# Altium PCB main-board.PcbDoc (part 2 of 2)
Units mm, origin at the board's own origin, x right, y up, seen from the top; angles counter-clockwise.
Board outline 82.8 x 75 mm, 4 copper layers (Top Layer, Int1 (GND), Int2 (PWR), Bottom Layer), stack 1.369 mm thick; 131 components, 82 nets, 436 pads, 508 vias.
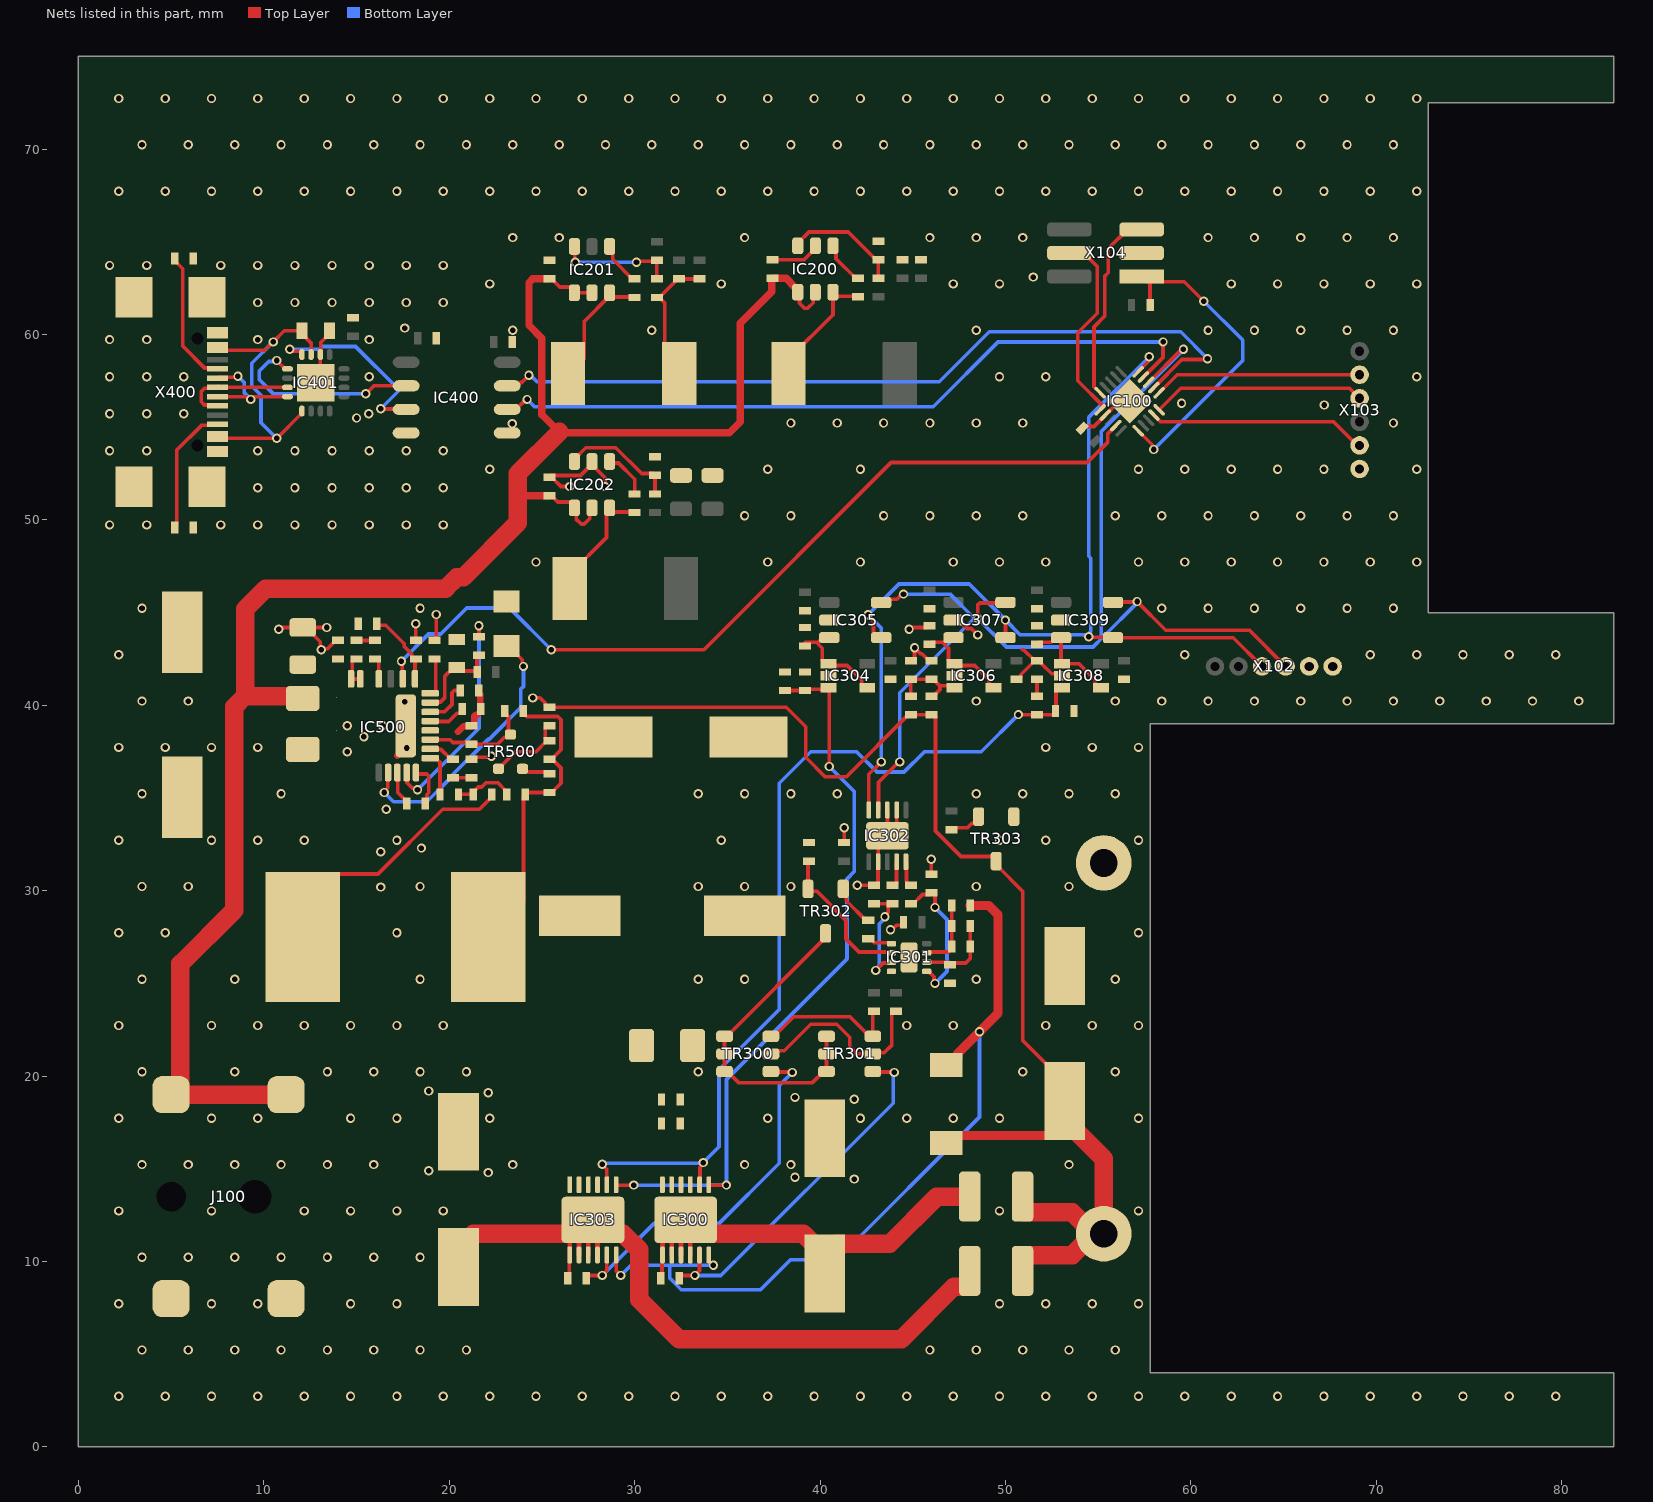
[diagram p4: the nets of this part, all layers, seen from the top]

## Via types
v1: diameter 0.5, hole 0.3, Top Layer to Bottom Layer, tented both sides, 504 vias
v2: diameter 0.5, hole 0.3, Top Layer to Bottom Layer, 4 vias

## Nets (pads, with @x,y where several pads share a name; then routed paths per layer and width w, separated by ;. In a path a pad name is that pad's centre, name@x,y a point inside that pad or via, vN(x,y) a via of type N, cw(c..) or ccw(c..) an arc to the next point about the centre after c; other vN are vias at no path point) (continued)
GND: C100.1 C201.2 C202.1 C203.1 C205.2 C206.2 C207.2 C209.2 C210.1 C211.1 C300.1 C301.1 C302.2 C303.2 C304.2 C305.2 C306.2 C308.1 C309.1 C310.1 C311.1 C312.1 C313.1 C314.1 C315.1 C316.1 C317.1 C318.1 C319.1 C401.2 C503.1 C504.2 C505.1 C506.1 C507.1 C508.2 C509.2 C510.1 C511.1 C512.1 C513.1 C514.1 C515.1 C516.1 IC100.17 IC100.21 IC200.2 IC202.2 IC301.4 IC301.9 IC302.2 IC302.7 IC302.8 IC302.11 IC304.2 IC305.2 IC306.2 IC307.2 IC308.2 IC309.2 IC400.5 IC500.9 IC500.17 IC500.23 IC500.28 J100.2 J100.3 L201.2 R201.1 R202.2 R205.1 R305.1 R311.1 R314.1 R317.1 R319.2 R508.1 R509.1 R511.1 R512.1 TR303.1 X101.1 X102.5 X102.6 X103.6 X104.3 | length 52.1
  Top Layer w0.2: v1(10.8,44.1) 10.881,44.1 10.981,44.2 C505.1@12.271,44.2 ; v1(13.4,44.2) C505.1@12.271,44.2 ; C506.1@14,43.5 13.875,43.5 13.432,43.057 13.157,43.057 v1(13.1,43) 13.043,43.057 13.043,43.428 C505.1@12.271,44.2 ; IC500.17@17.202,36.375 17.227,36.35 17.227,35.298 17.7,34.825 C512.1@17.7,34.7 ; C507.1@18.2,43.5 v1(18.2,44.4) ; R511.1@19.2,43.5 19.3,43.6 v1(19.3,44.9) ; C513.1@21.2,37.1 21.3,37.2 22.135,37.2 22.195,37.261 v1(22.277,37.261) ; v2(26.5,51.8) 26.025,51.8 25.525,52.3 C209.2@25.4,52.3 25.5,52.4 27.086,52.4 27.7,53.014 IC202.2@27.7,53.15 27.7,52.973 28.4,52.273 v2(28.4,51.8) ; R202.2@31.2,62 R202.2@31.325,62 ; L201.2@32.4,57.9 31.629,58.671 31.629,61.696 R202.2@31.325,62 ; C207.2@33.5,63 C206.2@32.4,63 32.275,63 32.175,62.9 32.175,62.85 R202.2@31.325,62 ; C201.2@37.446,64.033 39.132,64.033 39.746,64.647 IC200.2@39.746,64.783 ; C301.1@41.3,32.6 v1(41.3,33.4) ; v1(42,30.3) C304.2@42.9,30.3 43.025,30.3 43.125,30.4 43.125,31.559 IC302.2@43.133,31.567 43.133,32.462 IC302.11@43.633,32.962 ; IC302.8@43.633,34.357 IC302.11@43.633,32.962 ; v1(43.8,27.9) 43.881,27.9 44.117,28.136 44.4,28.136 44.5,28.236 C300.1@44.5,28.3 ; IC302.7@44.133,34.357 44.133,33.462 IC302.11@43.633,32.962 ; v1(44.8,44.1) 44.881,44.1 44.981,44.2 45.8,44.2 C315.1@45.9,44.3 ; C314.1@44.9,42.4 45,42.4 45.1,42.5 v1(45.1,43.1) 45.102,43.1 45.419,42.783 45.492,42.783 45.875,42.4 R317.1@46,42.4 ; C305.2@46,30.9 v1(46,31.7) ; IC307.2@47.2,44.6 47.477,44.6 47.929,44.148 48.152,44.148 v1(48.5,43.8) ; C312.1@50.6,41.4 50.725,41.4 50.825,41.5 50.825,41.65 R319.2@51.575,42.4 ; 50.9,43 50.975,43 R319.2@51.575,42.4 ; IC308.2@53.05,41.6 52.95,41.7 52.501,41.7 51.925,42.276 51.925,42.3 51.825,42.4 R319.2@51.7,42.4 R319.2@51.575,42.4 ; C100.1@54.146,54.954 54.235,55.042 54.776,55.042 IC100.17@55.392,55.658 56.134,56.4 IC100.21@56.7,56.4
  Top Layer w0.35: IC500.28@17.202,37.274 17.628,37.7 v1(17.7,37.7) ; IC500.28@17.659,38.895 IC500.28@17.904,38.65 ; 20.466,38.566 20.775,38.875 21.175,38.875 21.225,38.925 21.35,38.925 21.35,39.425 21.4,39.475 21.5,39.475 21.7,39.675 R512.1@21.7,39.8 21.675,39.825 21.675,40.6 21.6,40.675 R509.1@21.6,40.8
  other v1: 2.178,2.73 4.678,2.73 7.178,2.73 9.678,2.73 12.178,2.73 14.678,2.73 17.178,2.73 19.678,2.73 22.178,2.73 24.678,2.73 27.178,2.73 29.678,2.73 32.178,2.73 34.678,2.73 37.178,2.73 39.678,2.73 42.178,2.73 44.678,2.73 47.178,2.73 49.678,2.73 52.178,2.73 54.678,2.73 57.178,2.73 59.678,2.73 62.178,2.73 64.678,2.73 67.178,2.73 69.678,2.73 72.178,2.73 74.678,2.73 77.178,2.73 79.678,2.73 3.428,5.23 5.928,5.23 8.428,5.23 10.928,5.23 13.428,5.23 15.928,5.23 18.428,5.23 20.928,5.23 45.928,5.23 48.428,5.23 50.928,5.23 53.428,5.23 55.928,5.23 2.178,7.73 7.178,7.73 9.678,7.73 14.678,7.73 17.178,7.73 49.678,7.73 52.178,7.73 54.678,7.73 57.178,7.73 3.428,10.23 5.928,10.23 8.428,10.23 10.928,10.23 13.428,10.23 15.928,10.23 18.428,10.23 2.178,12.73 7.178,12.73 12.178,12.73 14.678,12.73 17.178,12.73 19.678,12.73 49.678,12.73 57.178,12.73 41.85,14.45 38.65,14.55 22.1,14.8 18.9,14.9 3.428,15.23 5.928,15.23 8.428,15.23 10.928,15.23 13.428,15.23 15.928,15.23 23.428,15.23 35.928,15.23 38.428,15.23 53.428,15.23 2.178,17.73 7.178,17.73 9.678,17.73 14.678,17.73 17.178,17.73 22.178,17.73 37.178,17.73 42.178,17.73 44.678,17.73 47.178,17.73 49.678,17.73 57.178,17.73 41.85,18.75 38.65,18.85 22.1,19.1 18.9,19.2 3.428,20.23 8.428,20.23 13.428,20.23 15.928,20.23 18.428,20.23 20.928,20.23 33.428,20.23 50.928,20.23 55.928,20.23 2.178,22.73 7.178,22.73 9.678,22.73 12.178,22.73 14.678,22.73 17.178,22.73 19.678,22.73 44.678,22.73 47.178,22.73 52.178,22.73 54.678,22.73 57.178,22.73 3.428,25.23 8.428,25.23 18.428,25.23 33.428,25.23 35.928,25.23 48.428,25.23 55.928,25.23 2.178,27.73 4.678,27.73 17.178,27.73 57.178,27.73 16.3,30.2 3.428,30.23 5.928,30.23 18.428,30.23 33.428,30.23 35.928,30.23 38.428,30.23 48.428,30.23 53.428,30.23 16.3,32.1 18.5,32.3 2.178,32.73 7.178,32.73 9.678,32.73 12.178,32.73 17.178,32.73 34.678,32.73 49.678,32.73 52.178,32.73 57.178,32.73 16.6,34.4 3.428,35.23 10.928,35.23 33.428,35.23 35.928,35.23 38.428,35.23 40.928,35.23 48.428,35.23 50.928,35.23 53.428,35.23 55.928,35.23 14.5,37.5 2.178,37.73 4.678,37.73 7.178,37.73 9.678,37.73 52.178,37.73 54.678,37.73 57.178,37.73 15.4,38.3 14.5,38.9 16.4,38.9 17.6,40.2 3.428,40.23 5.928,40.23 48.428,40.23 55.928,40.23 58.428,40.23 60.928,40.23 63.428,40.23 65.928,40.23 68.428,40.23 70.928,40.23 73.428,40.23 75.928,40.23 78.428,40.23 80.928,40.23 2.178,42.73 59.678,42.73 69.678,42.73 72.178,42.73 74.678,42.73 77.178,42.73 79.678,42.73 3.428,45.23 18.428,45.23 58.428,45.23 60.928,45.23 63.428,45.23 65.928,45.23 68.428,45.23 70.928,45.23 24.678,47.73 37.178,47.73 42.178,47.73 47.178,47.73 49.678,47.73 52.178,47.73 57.178,47.73 59.678,47.73 62.178,47.73 64.678,47.73 67.178,47.73 69.678,47.73 72.178,47.73 35.928,50.23 38.428,50.23 43.428,50.23 45.928,50.23 48.428,50.23 50.928,50.23 55.928,50.23 58.428,50.23 60.928,50.23 63.428,50.23 65.928,50.23 68.428,50.23 70.928,50.23 22.178,52.73 37.178,52.73 42.178,52.73 57.178,52.73 59.678,52.73 62.178,52.73 64.678,52.73 67.178,52.73 72.178,52.73 23.4,55.2 38.428,55.23 40.928,55.23 43.428,55.23 45.928,55.23 48.428,55.23 50.928,55.23 70.928,55.23 67.2,56.2 59.5,56.3 49.678,57.73 52.178,57.73 72.178,57.73 23.428,60.23 30.928,60.23 48.428,60.23 60.928,60.23 63.428,60.23 65.928,60.23 68.428,60.23 70.928,60.23 22.178,62.73 34.678,62.73 47.178,62.73 49.678,62.73 62.178,62.73 64.678,62.73 67.178,62.73 69.678,62.73 72.178,62.73 51.5,63.1 23.428,65.23 25.928,65.23 35.928,65.23 45.928,65.23 48.428,65.23 50.928,65.23 60.928,65.23 63.428,65.23 65.928,65.23 68.428,65.23 70.928,65.23 2.178,67.73 4.678,67.73 7.178,67.73 9.678,67.73 12.178,67.73 14.678,67.73 17.178,67.73 19.678,67.73 22.178,67.73 24.678,67.73 27.178,67.73 29.678,67.73 32.178,67.73 34.678,67.73 37.178,67.73 39.678,67.73 42.178,67.73 44.678,67.73 47.178,67.73 49.678,67.73 52.178,67.73 54.678,67.73 57.178,67.73 59.678,67.73 62.178,67.73 64.678,67.73 67.178,67.73 69.678,67.73 72.178,67.73 3.428,70.23 5.928,70.23 8.428,70.23 10.928,70.23 13.428,70.23 15.928,70.23 18.428,70.23 20.928,70.23 23.428,70.23 25.928,70.23 28.428,70.23 30.928,70.23 33.428,70.23 35.928,70.23 38.428,70.23 40.928,70.23 43.428,70.23 45.928,70.23 48.428,70.23 50.928,70.23 53.428,70.23 55.928,70.23 58.428,70.23 60.928,70.23 63.428,70.23 65.928,70.23 68.428,70.23 70.928,70.23 2.178,72.73 4.678,72.73 7.178,72.73 9.678,72.73 12.178,72.73 14.678,72.73 17.178,72.73 19.678,72.73 22.178,72.73 24.678,72.73 27.178,72.73 29.678,72.73 32.178,72.73 34.678,72.73 37.178,72.73 39.678,72.73 42.178,72.73 44.678,72.73 47.178,72.73 49.678,72.73 52.178,72.73 54.678,72.73 57.178,72.73 59.678,72.73 62.178,72.73 64.678,72.73 67.178,72.73 69.678,72.73 72.178,72.73
GND_USB: C400.2 C402.1 C403.2 IC400.4 IC401.2 IC401.17 R400.1 R401.1 X400.A1 X400.A12 X400.B1 X400.B12 X400.SHELL | length 3.1
  Top Layer w0.2: IC401.17@12.8,57.4 13.05,57.65 IC401.2@13.05,58.925 13.069,58.944 13.069,59.569 13.55,60.05 C402.1@13.55,60.2
  other v1: 1.678,49.73 3.678,49.73 7.678,49.73 9.678,49.73 11.678,49.73 13.678,49.73 15.678,49.73 17.678,49.73 19.678,49.73 9.678,51.73 11.678,51.73 13.678,51.73 15.678,51.73 17.678,51.73 19.678,51.73 1.678,53.73 3.678,53.73 9.678,53.73 11.678,53.73 13.678,53.73 15.678,53.73 17.678,53.73 19.678,53.73 15,55.5 1.678,55.73 3.678,55.73 5.678,55.73 15.658,55.721 1.678,57.73 3.678,57.73 5.678,57.73 15.678,57.73 1.678,59.73 3.678,59.73 9.678,59.73 15.678,59.73 17.6,60.35 9.678,61.73 11.678,61.73 13.678,61.73 15.678,61.73 17.678,61.73 19.678,61.73 1.678,63.73 3.678,63.73 7.678,63.73 9.678,63.73 11.678,63.73 13.678,63.73 15.678,63.73 17.678,63.73 19.678,63.73
ICSPCLK: IC100.15 X104.5 | length 10.5
  Top Layer w0.2: IC100.15@55.109,56.86 54.78,57.189 54.78,60.414 55.35,60.984 55.35,63.137 55.543,63.33 55.543,64.634 56.579,65.67 X104.5@57.35,65.67
ICSPDAT: IC100.16 X104.4 | length 10.6
  Top Layer w0.2: X104.4@53.45,64.4 54.221,64.4 54.95,63.671 54.95,61.15 53.9,60.1 53.9,57.503 55.286,56.117 IC100.16@55.109,55.94
M\C\L\R\: IC100.1 R100.1 X104.1 | length 17.9
  Top Layer w0.2: IC100.1@57.16,54.809 57.943,54.026 57.943,53.857 v1(58,53.8) ; R100.1@57.8,61.6 57.8,62.85 57.52,63.13 X104.1@57.35,63.13 57.63,62.85 59.65,62.85 v1(60.7,61.8)
  Bottom Layer w0.2: v1(58,53.8) 62.8,58.6 62.8,59.7 v1(60.7,61.8)
NetC200_1: C200.1 IC200.6 L200.1 | length 6.9
  Top Layer w0.2: L200.1@38.3,57.9 38.3,58.675 40.696,61.071 IC200.6@40.696,62.283 ; IC200.6@40.696,62.333 40.696,62.254 40.892,62.058 42.021,62.058 C200.1@42.046,62.033
NetC200_2: C200.2 IC200.1 | length 2.4
  Top Layer w0.2: IC200.1@40.696,64.783 40.865,64.614 40.865,64.089 41.921,63.033 C200.2@42.046,63.033
NetC204_1: C204.1 IC201.6 L201.1 | length 6.8
  Top Layer w0.2: L201.1@26.4,57.9 26.433,57.867 26.454,57.867 27.279,58.692 27.279,60.702 28.65,62.073 IC201.6@28.65,62.25 28.65,62.221 28.846,62.025 29.975,62.025 C204.1@30,62
NetC204_2: C204.2 IC201.1 | length 2.4
  Top Layer w0.2: IC201.1@28.65,64.75 28.819,64.581 28.819,64.056 29.875,63 C204.2@30,63
NetC208_1: C208.1 IC202.6 L202.1 | length 6.7
  Top Layer w0.2: L202.1@26.5,46.3 26.5,47.075 28.481,49.056 28.481,50.481 IC202.6@28.65,50.65 28.65,50.621 28.846,50.425 29.975,50.425 C208.1@30,50.4
NetC208_2: C208.2 IC202.1 | length 2.5
  Top Layer w0.2: IC202.1@28.65,53.15 28.733,53.067 29.133,53.067 30,52.2 C208.2@30,51.4
NetC302_1: C302.1 IC300.1 IC300.2 IC300.3 IC300.4 IC300.13 R302.1 R306.2 | length 27.2
  Top Layer w0.2: R306.2@31.4,9.1 31.475,9.175 31.475,10.33 IC300.1@31.5,10.355
  Top Layer w0.25: IC300.1@31.5,10.355 31.5,11.136 IC300.13@31.932,11.568 ; IC300.2@32,10.355 IC300.13@32,11.5 ; IC300.3@32.5,10.355 32.5,12 IC300.13@32.75,12.25 33,12 33,11.505 IC300.4@33,10.355
  Top Layer w1: IC300.13@32.75,12.25 33.495,11.505 39.095,11.505 C302.1@40.25,10.35 ; R302.1@48.075,13.5 46.3,13.5 43.75,10.95 40.85,10.95 C302.1@40.25,10.35 ; C302.1@40.25,10.35 C302.1@40.25,9.35 C302.1@40.25,10.35
NetC304_1: C304.1 IC301.3 R303.2 | length 6
  Top Layer w0.2: C304.1@42.9,29.3 R303.2@43.9,29.3 ; v1(43,25.7) 43.4,26.1 43.8,26.1 IC301.3@43.85,26.15 ; v1(43.5,28.6) 43.5,28.681 43.675,28.856 43.675,29.2 R303.2@43.775,29.3
  Bottom Layer w0.2: v1(43,25.7) 43,25.781 43.2,25.981 43.2,28.219 43.5,28.519 v1(43.5,28.6)
NetC305_1: C305.1 IC301.5 R308.2 | length 7.8
  Top Layer w0.2: R308.2@44.9,29.3 45.025,29.3 45.525,29.8 45.9,29.8 C305.1@46,29.9 46.1,29.9 46.2,29.8 v1(46.2,29.1) ; IC301.5@45.75,25.65 45.85,25.65 46.143,25.357 46.143,25.057 v1(46.2,25)
  Bottom Layer w0.2: v1(46.2,25) 46.85,25.65 46.85,28.45 v1(46.2,29.1)
NetC306_1: C306.1 IC303.1 IC303.2 IC303.3 IC303.4 IC303.13 R310.1 R313.2 | length 42.1
  Top Layer w0.2: R313.2@26.4,9.1 26.475,9.175 26.475,10.33 IC303.1@26.5,10.355
  Top Layer w0.25: IC303.1@26.5,10.355 26.5,11.136 IC303.13@26.932,11.568 ; IC303.2@27,10.355 IC303.13@27,11.5 ; IC303.3@27.5,10.355 IC303.13@27.5,12 ; IC303.4@28,10.355 IC303.13@28,11.505
  Top Layer w1: C306.1@20.5,9.7 20.5,10.7 21.305,11.505 27.005,11.505 IC303.13@27.75,12.25 28.495,11.505 29.378,11.505 30.25,10.633 30.25,7.95 32.4,5.8 44.375,5.8 47.225,8.65 48,8.65 48.075,8.725 R310.1@48.075,9.5
NetC307_1: C307.1 IC301.7 R309.1 R312.2 | length 3.8
  Top Layer w0.2: IC301.7@45.75,26.65 45.8,26.7 46.925,26.7 47.1,26.875 C307.1@47.1,27 R312.2@47.1,28.1 47.1,29 R309.1@47.1,29.2
NetC307_2: C307.2 IC301.6 R311.2 R312.1 | length 4.4
  Top Layer w0.2: IC301.6@45.75,26.15 47,26.15 R311.2@47,26 47.1,26.1 47.854,26.1 48.1,26.346 C307.2@48.1,27 R312.1@48.1,28.1
NetC310_2: C310.2 IC300.7 IC303.7 IC304.3 R314.2 | length 40
  Top Layer w0.2: IC303.7@29,14.145 29.022,14.123 v1(29.95,14.123) ; IC300.7@34,14.145 34.022,14.123 v1(34.95,14.123) ; C310.2@38.1,40.8 R314.2@39.2,40.8 39.275,40.875 40.216,40.875 40.375,40.875 IC304.3@40.45,40.95 40.366,40.95 40.216,40.8 40.5,40.8 v1(40.5,36.7)
  Bottom Layer w0.2: v1(29.95,14.123) v1(34.95,14.123) 34.95,19.825 41.45,26.325 41.45,30.638 41.85,31.038 41.85,35.35 v1(40.5,36.7)
NetC311_2: C311.2 IC304.1 IC304.4 IC305.3 | length 5.7
  Top Layer w0.2: C311.2@39.1,43.3 39.2,43.4 39.873,43.4 ; IC305.3@40.4,43.65 40.123,43.65 39.873,43.4 ; IC304.4@42.55,40.95 42.4,40.95 42.25,41.1 42.25,41.35 41.45,42.15 40.55,42.15 IC304.1@40.45,42.25 40.275,42.25 40.125,42.4 40.125,43.075 39.9,43.3 39.9,43.373 39.873,43.4
NetC314_2: C314.2 IC306.3 R315.1 R316.1 R317.2 | length 4.3
  Top Layer w0.2: R315.1@44.9,40.5 C314.2@44.9,41.4 R317.2@46,41.4 46.125,41.4 46.475,41.05 ; R316.1@46,40.5 46.125,40.5 46.475,40.85 46.475,41.05 ; IC306.3@47.25,40.95 47.15,41.05 46.475,41.05
NetC315_2: C315.2 IC306.1 IC306.4 IC307.3 | length 5.7
  Top Layer w0.2: C315.2@45.9,43.3 46,43.4 46.673,43.4 ; IC307.3@47.2,43.65 46.923,43.65 46.673,43.4 ; IC306.4@49.35,40.95 49.267,40.95 49.117,41.1 49.117,41.383 48.35,42.15 47.35,42.15 IC306.1@47.25,42.25 47.075,42.25 46.925,42.4 46.925,43.075 46.7,43.3 46.7,43.373 46.673,43.4
NetC318_2: C318.2 IC308.1 IC308.4 IC309.3 | length 5.7
  Top Layer w0.2: C318.2@51.7,43.3 51.8,43.4 52.473,43.4 52.723,43.65 IC309.3@53,43.65 53,42.3 IC308.1@53.05,42.25 53.95,42.25 54.85,41.35 54.85,41.1 55,40.95 IC308.4@55.15,40.95
NetC319_2: C319.2 IC300.8 IC303.8 IC308.3 R318.2 | length 49.1
  Top Layer w0.2: v1(28.25,15.25) 28.25,15.233 28.5,14.983 IC303.8@28.5,14.145 ; IC300.8@33.5,14.145 33.525,14.17 33.525,15.083 33.7,15.258 v1(33.7,15.34) ; v1(50.7,39.5) R318.2@51.7,39.5 52.6,39.5 52.7,39.6 C319.2@52.7,39.7 52.725,39.725 52.725,40.8 52.875,40.95 IC308.3@53.05,40.95
  Bottom Layer w0.2: v1(28.25,15.25) 28.295,15.295 33.655,15.295 v1(33.7,15.34) 34.55,16.19 34.55,20.35 37.8,23.6 37.8,35.8 39.5,37.5 41.972,37.5 43.072,36.4 44.528,36.4 45.628,37.5 48.7,37.5 v1(50.7,39.5)
NetC500_1: C500.1 C502.2 R501.1 | length 3.3
  Top Layer w0.2: C502.2@20.5,35.2 R501.1@21.3,35.2 21.3,35.325 21.575,35.6 21.751,35.6 21.976,35.825 22.624,35.825 23,35.449 23,35.3 C500.1@23.1,35.2
NetC501_1: C501.1 IC500.4 | length 1.2
  Top Layer w0.2: C501.1@16,42.5 16.102,42.5 16.202,42.4 IC500.4@16.202,41.425
NetC501_2: C501.2 R505.1 | length 1
  Top Layer w0.2: R505.1@15,43.5 C501.2@16,43.5
NetC502_1: C502.1 IC500.20 | length 2.3
  Top Layer w0.2: IC500.20@18.975,37.15 19.275,37.15 19.5,36.925 C502.1@19.5,35.2
NetC507_2: C507.2 IC500.1 R500.2 | length 4.3
  Top Layer w0.2: R500.2@16.1,44.4 16.176,44.324 16.576,44.324 17.575,43.325 17.575,43.176 17.975,42.776 17.975,42.6 18.123,42.452 18.152,42.452 IC500.1@18.152,41.575 ; IC500.1@18.152,41.575 18.227,41.5 IC500.1@18.152,41.425 18.152,41.5 IC500.1@18.152,41.575
NetC511_2: C511.2 IC500.26 R506.2 R507.1 | length 5
  Top Layer w0.2: IC500.26@18.975,40.15 19,40.175 19.523,40.175 19.75,40.402 19.75,41.55 20.25,42.05 C511.2@20.4,42.05 20.5,41.95 20.6,41.85 21.45,41.85 R506.2@21.5,41.8 21.5,42.6 R507.1@21.6,42.7
NetC512_2: C512.2 IC500.19 | length 2.3
  Top Layer w0.2: IC500.19@18.202,36.375 18.277,36.3 18.783,36.3 18.9,36.183 18.9,35.284 18.8,35.184 18.8,34.8 C512.2@18.7,34.7
NetC513_2: C513.2 R510.1 | length 1
  Top Layer w0.2: R510.1@20.2,36.1 C513.2@21.2,36.1
NetC514_2: C514.2 IC500.16 | length 14.7
  Top Layer w0.2: v1(16.5,35.3) 16.5,35.381 16.677,35.558 16.677,36.35 IC500.16@16.702,36.375 ; C514.2@23.1,43.2 23.2,43.2 23.943,42.457 23.943,42.157 v1(24,42.1)
  Bottom Layer w0.2: v1(16.5,35.3) 17,34.8 18.783,34.8 20.227,36.245 20.227,36.305 22.083,38.161 22.144,38.161 23.85,39.867 23.85,40.868 24,41.018 v1(24,42.1)
NetD300_2: D300.2 IC300.6 IC303.6 R309.2 | length 44.3
  Top Layer w0.2: IC303.6@29,10.355 29,9.517 29.25,9.267 v1(29.25,9.25) ; IC300.6@34,10.355 34,10.03 34.23,9.8 v1(34.25,9.8)
  Top Layer w0.5: D300.2@46.8,20.6 47.025,20.6 47.425,21 47.425,21.225 v1(48.6,22.4) 49.6,23.4 49.6,28.7 49.1,29.2 R309.2@48.1,29.2
  Bottom Layer w0.2: v1(29.25,9.25) 29.8,9.8 31.9,9.8 ; v1(34.25,9.8) 31.9,9.8 ; v1(48.6,22.4) 48.6,17.8 40.9,10.1 38.4,10.1 36.783,8.483 32.517,8.483 31.9,9.1 31.9,9.8
NetIC200_3: IC200.3 R200.1 R201.2 | length 6.4
  Top Layer w0.2: IC200.3@38.796,64.783 38.796,64.919 39.41,65.533 41.521,65.533 43.021,64.033 R201.2@43.146,64.033 R200.1@43.146,63.033
NetIC201_3: IC201.3 R202.1 R203.2 | length 6.3
  Top Layer w0.2: IC201.3@26.75,64.75 26.775,64.725 26.775,63.925 v1(26.8,63.9) ; v1(30.1,63.9) 30.15,63.95 31.15,63.95 R203.2@31.2,64 R202.1@31.2,63
  Bottom Layer w0.2: v1(26.8,63.9) v1(30.1,63.9)
NetIC202_3: IC202.3 R204.1 R205.2 | length 6.4
  Top Layer w0.2: IC202.3@26.75,53.15 26.75,53.286 27.364,53.9 28.986,53.9 30.386,52.5 31,52.5 R205.2@31.1,52.4 R204.1@31.1,51.4
NetIC300_5: IC300.5 R306.1 TR301.4 | length 19.5
  Top Layer w0.2: R306.1@32.4,9.1 32.4,9.15 32.5,9.25 v1(33.25,9.25) 33.25,9.267 33.5,9.517 IC300.5@33.5,10.355 ; TR301.4@42.85,20.25 42.875,20.225 43.975,20.225 v1(44,20.2)
  Bottom Layer w0.2: v1(33.25,9.25) 34.65,9.25 43.943,18.543 43.943,20.143 v1(44,20.2)
NetIC301_1: IC301.1 R304.1 | length 1.4
  Top Layer w0.2: R304.1@42.6,27.4 42.725,27.4 42.925,27.2 43.8,27.2 IC301.1@43.85,27.15
NetIC301_2: IC301.2 R305.2 TR302.2 | length 8
  Top Layer w0.2: R305.2@39.4,31.6 39.35,31.55 TR302.2@39.35,30.1 39.483,29.967 39.833,29.967 41.4,28.4 41.4,27.4 42.1,26.7 43.8,26.7 IC301.2@43.85,26.65
NetIC302_4: IC302.4 R303.1 | length 1.4
  Top Layer w0.2: R303.1@43.9,30.3 44.025,30.3 44.125,30.4 44.125,31.559 IC302.4@44.133,31.567
NetIC302_5: IC302.5 R308.1 | length 1.5
  Top Layer w0.2: IC302.5@44.633,31.567 44.658,31.542 44.658,30.542 44.675,30.525 44.675,30.4 44.775,30.3 R308.1@44.9,30.3
NetIC303_5: IC303.5 R313.1 TR300.4 | length 20.6
  Top Layer w0.2: R313.1@27.4,9.1 27.4,9.15 27.5,9.25 v1(28.25,9.25) 28.25,9.267 28.5,9.517 IC303.5@28.5,10.355 ; TR300.4@37.35,20.25 37.375,20.225 38.475,20.225 v1(38.5,20.2)
  Bottom Layer w0.2: v1(28.25,9.25) 31.051,12.051 34.551,12.051 37.8,15.3 37.8,19.5 v1(38.5,20.2)
NetIC400_2: IC400.2 IC401.5 | length 10.8
  Top Layer w0.2: v1(10.7,58.6) 10.7,58.588 11.138,58.15 IC401.5@11.275,58.15 ; v1(15.5,56.8) 15.935,57.235 IC400.2@17.675,57.235
  Bottom Layer w0.2: v1(10.7,58.6) 10.643,58.543 10.265,58.543 9.75,58.028 9.75,57.572 10.522,56.8 v1(15.5,56.8)
NetIC400_3: IC400.3 IC401.4 | length 10.5
  Top Layer w0.2: v1(11.4,59.2) 11.481,59.2 11.587,59.094 12.004,59.094 12.05,59.048 IC401.4@12.05,58.925 ; v1(16.3,56) 16.318,55.982 17.658,55.982 IC400.3@17.675,55.965
  Bottom Layer w0.2: v1(11.4,59.2) 13,59.2 13.15,59.35 14.95,59.35 17.217,57.083 17.217,56.917 v1(16.3,56)
NetIC500_5: IC500.5 IC500.6 R505.2 | length 1.8
  Top Layer w0.2: R505.2@15,42.5 14.875,42.5 14.775,42.4 14.775,41.498 IC500.6@14.702,41.425 IC500.5@15.202,41.425
NetIC500_12: IC500.12 L500.1 R501.2 | length 14.3
  Top Layer w0.2: L500.1@12.1,27.5 12.1,29 14,30.9 16.15,30.9 19.65,34.4 21.625,34.4 22.3,35.075 R501.2@22.3,35.2
NetIC500_18: IC500.18 R507.2 | length 12.3
  Top Layer w0.2: IC500.18@17.702,36.375 17.727,36.35 17.727,35.827 18.022,35.532 18.398,35.532 18.316,35.45 v1(18.289,35.45) ; R507.2@21.6,43.7 v1(21.6,44.3)
  Bottom Layer w0.2: v1(18.289,35.45) 21.6,38.761 v1(21.6,44.3)
NetIC500_21: IC500.21 R510.2 | length 1.5
  Top Layer w0.2: IC500.21@18.975,37.65 19,37.625 19.55,37.625 20.075,37.1 R510.2@20.2,37.1
NetIC500_22: IC500.22 R508.2 R513.1 TR500.3 | length 6.6
  Top Layer w0.2: IC500.22@18.975,38.15 20.05,38.15 20.2,38 21.2,38 R508.2@21.425,38 ; R508.2@21.2,37.9 21.425,37.9 22.6,37.9 22.973,38.273 23.148,38.273 TR500.3@23.3,38.425 ; R513.1@23.123,39.452 R513.1@23,39.575 ; TR500.3@23.2,38.33 23.2,38.425 23.2,39.375 R513.1@23,39.575 ; R513.1@23,39.575 R513.1@23,39.7 R513.1@23,39.575
NetIC500_24: IC500.24 R512.2 | length 2.1
  Top Layer w0.2: IC500.24@18.975,39.15 19,39.125 19.975,39.125 20.425,39.575 20.6,39.575 20.7,39.675 R512.2@20.7,39.8
NetIC500_25: IC500.25 R509.2 | length 2.5
  Top Layer w0.2: IC500.25@18.975,39.65 19.75,39.65 20.15,40.05 20.15,40.683 20.267,40.8 R509.2@20.6,40.8
NetIC500_27: IC500.27 R511.2 | length 2.1
  Top Layer w0.2: IC500.27@18.975,40.65 19.2,40.65 19.275,40.725 19.275,42.425 R511.2@19.2,42.5
NetR300_1: R300.1 TR300.6 TR301.6 | length 7.7
  Top Layer w0.2: TR300.6@37.35,22.15 37.527,22.15 38.577,23.2 41.623,23.2 42.673,22.15 TR301.6@42.85,22.15 42.85,23.45 R300.1@42.9,23.5
NetR301_1: R301.1 TR300.5 TR301.5 | length 10.3
  Top Layer w0.2: TR300.5@37.35,21.2 37.519,21.369 38.069,21.369 39.5,22.8 40.9,22.8 41.6,22.1 41.6,21.6 42,21.2 TR301.5@42.85,21.2 42.918,21.268 43.468,21.268 43.875,21.675 43.875,23.4 43.975,23.5 R301.1@44.1,23.5
NetR304_2: R304.2 TR302.1 | length 2.3
  Top Layer w0.2: TR302.1@41.25,30.1 41.419,29.931 41.419,29.456 42.475,28.4 R304.2@42.6,28.4
NetR307_2: R307.2 TR303.2 | length 1.8
  Top Layer w0.2: R307.2@47.1,33.3 47.2,33.4 47.95,33.4 48.181,33.631 48.354,33.631 48.55,33.827 TR303.2@48.55,34
NetR318_1: R318.1 R319.1 | length 0.9
  Top Layer w0.2: R318.1@51.7,40.5 R319.1@51.7,41.4
NetR400_2: R400.2 X400.A5 | length 7.3
  Top Layer w0.2: R400.2@5.2,64.1 5.2,63.975 5.625,63.55 5.625,59.376 6.801,58.2 7.45,58.2 X400.A5@7.5,58.15
NetR401_2: R401.2 X400.B5 | length 7
  Top Layer w0.2: R401.2@5.2,49.6 5.3,49.7 5.3,53.769 6.631,55.1 7.45,55.1 X400.B5@7.5,55.15
NetR502_1: R502.1 TR500.2 | length 1.6
  Top Layer w0.2: TR500.2@23.95,36.575 23.995,36.575 24.17,36.4 25.3,36.4 R502.1@25.4,36.3
NetR503_1: R503.1 R504.1 TR500.1 | length 4.4
  Top Layer w0.2: TR500.1@22.65,36.575 23.575,37.5 24.675,37.5 25.237,38.062 R503.1@25.237,38.137 ; R503.1@25.4,38.1 25.275,38.1 25.175,38.2 25.175,38.8 25.275,38.9 R504.1@25.4,38.9
NetTR300_1: TR300.1 TR300.2 TR300.3 TR301.1 TR301.2 TR301.3 TR302.3 | length 17.7
  Top Layer w0.2: TR302.3@40.3,27.7 40.3,27.475 34.975,22.15 TR300.1@34.85,22.15 TR300.2@34.85,21.2 TR300.3@34.85,20.25 35,20.25 35.6,19.65 39.6,19.65 40.2,20.25 40.35,20.4 40.35,21.05 40.2,21.2 40.35,21.35 TR301.1@40.35,22.15
Output: C303.1 D300.1 R302.2 R310.2 R315.2 R316.2 R504.2 TR303.3 X100.1 | length 74.8
  Top Layer w0.2: v1(24.5,40.4) 24.511,40.411 24.889,40.411 25.175,40.125 25.175,40 25.275,39.9 38.174,39.9 39.223,38.851 39.223,37.199 40.272,36.15 41.425,36.15 44.775,39.5 46.125,39.5 46.225,39.4 46.225,33.226 47.601,31.85 49.304,31.85 49.5,31.654 49.5,31.4 50.935,29.965 50.935,21.915 53.2,19.65 C303.1@53.2,18.65
  Top Layer w0.5: D300.1@46.8,16.4 47.2,16.8 52.35,16.8 C303.1@53.2,17.65
  Top Layer w1: R310.2@50.925,9.5 50.925,10.275 51,10.35 53.609,10.35 54.759,11.5 53.609,12.65 51,12.65 50.925,12.725 R302.2@50.925,13.5 ; C303.1@53.2,17.65 55.3,15.55 X100.1@55.3,11.5
PGOOD: IC100.19 IC500.2 | length 46.9
  Top Layer w0.2: v1(17.421,42.379) 17.462,42.338 17.462,41.465 IC500.2@17.502,41.425 ; v1(25.5,43) 33.734,43 43.834,53.1 54.414,53.1 55.525,54.211 55.525,54.659 IC100.19@55.958,55.092
  Bottom Layer w0.2: v1(17.421,42.379) 18.886,43.843 19.543,43.843 20.95,45.25 23.25,45.25 v1(25.5,43)
SCL: IC100.8 IC302.9 IC305.5 IC307.5 IC309.5 X102.4 | length 61.6
  Top Layer w0.2: IC302.9@43.133,34.357 43.158,34.382 43.158,35.858 44.25,36.95 v1(44.3,36.95) ; IC305.5@43.3,45.55 43.469,45.719 44.144,45.719 44.425,46 v1(44.5,46) ; v1(48.5,44.7) 48.5,45.408 48.617,45.525 49.975,45.525 IC307.5@50,45.55 ; IC309.5@55.8,45.55 55.825,45.575 57.075,45.575 v1(57.1,45.6) 58.65,44.05 63.16,44.05 X102.4@65.11,42.1 ; IC100.8@57.725,57.425 59.443,59.143 59.543,59.143 v1(59.6,59.2)
  Bottom Layer w0.2: v1(44.3,36.95) 44.3,40.684 48.316,44.7 47.016,46 v1(44.5,46) ; v1(48.5,44.7) 50.05,43.15 54.728,43.15 55.278,43.7 ; v1(57.1,45.6) 57.1,45.522 55.278,43.7 ; v1(59.6,59.2) 55.161,54.761 55.161,43.817 55.278,43.7
SDA: IC100.10 IC302.10 IC305.4 IC307.4 IC309.4 X102.3 | length 55.1
  Top Layer w0.2: v1(42.591,44.886) 42.591,44.828 42.881,44.539 42.881,43.846 43.077,43.65 IC305.4@43.3,43.65 ; IC302.10@42.633,34.357 42.633,36.283 v1(43.3,36.95) ; IC307.4@50,43.65 v1(50,44.6) ; v1(54.5,43.7) 54.525,43.675 55.775,43.675 IC309.4@55.8,43.65 62.29,43.65 X102.3@63.84,42.1 ; IC100.10@57.16,57.991 57.7,58.531 57.7,58.746 v1(57.757,58.804)
  Bottom Layer w0.2: v1(43.3,36.95) 43.3,44.177 v1(42.591,44.886) 44.256,46.55 48.05,46.55 v1(50,44.6) 50.8,43.8 54.233,43.8 54.275,43.757 54.443,43.757 v1(54.5,43.7) 54.557,43.757 54.557,43.925 54.6,43.967 54.6,47.936 54.5,48.036 54.5,55.546 v1(57.757,58.804)
SIG_A: IC100.6 X103.2 | length 11.2
  Top Layer w0.2: IC100.6@58.291,56.86 59.261,57.83 X103.2@69.1,57.83
SIG_B: IC100.5 X103.3 | length 11.5
  Top Layer w0.2: IC100.5@58.291,55.94 59.451,57.1 68.56,57.1 X103.3@69.1,56.56
SW: IC100.4 X103.5 | length 11.8
  Top Layer w0.2: IC100.4@58.008,55.658 58.366,55.3 67.7,55.3 68.98,54.02 X103.5@69.1,54.02
UART.RX: IC100.9 IC400.6 | length 39.5
  Top Layer w0.2: IC400.6@23.125,55.965 23.608,55.965 24.143,56.5 v1(24.2,56.5) ; IC100.9@57.442,57.708 58.5,58.766 v1(58.5,59.6)
  Bottom Layer w0.2: v1(24.2,56.5) 24.6,56.1 46.1,56.1 49.6,59.6 v1(58.5,59.6)
UART.TX: IC100.7 IC400.7 | length 43.4
  Top Layer w0.2: IC400.7@23.125,57.235 23.658,57.235 23.834,57.411 23.911,57.411 v1(24.3,57.8) ; IC100.7@58.008,57.142 59.516,58.65 60.85,58.65 v1(60.9,58.7)
  Bottom Layer w0.2: v1(24.3,57.8) 24.378,57.8 24.728,57.45 46.426,57.45 49.126,60.15 59.45,60.15 v1(60.9,58.7)
USBDM: IC401.8 X400.A7 X400.B7 | length 6.5
  Top Layer w0.2: X400.A7@7.5,56.65 9.069,56.65 9.219,56.5 v2(9.3,56.5) ; X400.B7@7.5,57.65 7.55,57.7 8.55,57.7 v2(8.6,57.75) ; v2@9.3,56.65 IC401.8@11.275,56.65
  Bottom Layer w0.2: v2(8.6,57.75) 8.95,57.4 8.95,56.85 v2(9.3,56.5)
USBDP: IC401.7 X400.A6 X400.B6 | length 6.3
  Top Layer w0.2: X400.B6@7.5,56.15 7.45,56.2 6.801,56.2 6.625,56.376 6.625,56.924 6.801,57.1 7.45,57.1 X400.A6@7.55,57.2 ; X400.A6@7.5,57.15 IC401.7@11.275,57.15
V_SYS: C201.1 C205.1 C209.1 C503.2 C504.1 C505.2 C506.2 IC200.4 IC200.5 IC201.4 IC201.5 IC202.4 IC202.5 IC500.7 J100.1 R500.1 | length 100
  Top Layer w0.2: C209.1@25.525,51.3 25.856,50.969 26.554,50.969 26.75,50.773 IC202.4@26.75,50.65 26.843,50.557 26.843,50.057 27.117,49.783 27.283,49.783 27.582,50.082 27.582,50.532 IC202.5@27.7,50.65 ; C205.1@25.525,63 25.956,62.569 26.554,62.569 26.75,62.373 IC201.4@26.75,62.25 IC201.5@27.7,62.25 ; C201.1@37.4,62.987 C201.1@37.446,63.033 ; IC200.4@38.796,62.406 IC200.4@38.796,62.283 38.889,62.19 38.889,61.69 39.163,61.416 39.329,61.416 39.628,61.715 39.628,62.165 IC200.5@39.746,62.283
  Top Layer w0.4: 23.7,51.3 C209.1@25.4,51.3 ; C205.1@25.4,63 24.5,63 24.3,62.8 24.3,60.5 25,59.8 25,55.685 25.943,54.743 ; 25.985,54.7 35.114,54.7 35.7,55.286 35.7,59.8 35.7,60.6 37.4,62.3 C201.1@37.4,62.987 ; C201.1@37.446,63.033 38.169,63.033 38.669,62.533 38.696,62.533 38.796,62.433 IC200.4@38.796,62.406
  Top Layer w1: J100.1@11.2,19 J100.1@5,19 5.5,19.5 5.5,26.05 8.4,28.95 8.4,39.914 8.986,40.5 ; C503.2@12.1,40.375 11.975,40.5 8.986,40.5 ; 25.943,54.743 23.7,52.5 23.7,51.3 23.7,49.847 20.753,46.9 20.4,46.9 19.8,46.3 10.1,46.3 8.986,45.186 8.986,40.5
VBUS: C402.2 IC401.3 IC401.9 X400.A4 X400.A9 X400.B4 X400.B9 | length 18
  Top Layer w0.2: X400.A9@7.5,54.35 7.55,54.4 v1(10.698,54.4) 12.05,55.752 IC401.9@12.05,55.875 ; X400.B9@7.5,59.15 10.05,59.15 v1(10.5,59.6) 11.1,60.2 C402.2@12.05,60.2 12.05,60.05 12.55,59.55 IC401.3@12.55,58.925
  Bottom Layer w0.2: v1(10.5,59.6) 9.35,58.45 9.35,57.228 9.85,56.728 9.85,55.248 v1(10.698,54.4)
VOUT: C500.2 C508.1 C509.1 C510.2 C515.2 C516.2 IC300.9 IC300.10 IC300.11 IC300.12 IC303.9 IC303.10 IC303.11 IC303.12 L500.2 R502.2 R503.2 R513.2 | length 17
  Top Layer w0.2: L500.2@22.1,27.5 24,29.4 24,35.1 24.2,35.3 25.525,35.3 26.025,35.8 26.025,36.624 25.649,37 25.625,37 R503.2@25.525,37.1 ; R513.2@24,39.7 24,39.575 24.175,39.4 25.849,39.4 26.025,39.224 26.025,37.6 R503.2@25.525,37.1 ; R503.2@25.4,37.1 R503.2@25.525,37.1
pads on no net: IC100.2 IC100.11 IC100.12 IC100.13 IC100.14 IC302.3 IC302.6 IC401.10 IC401.11 IC401.12 IC401.13 IC401.14 IC401.15 IC401.16 IC500.15 J100.0 X104.6 X400.0 X400.A8 X400.B8

## Polygon pours and split planes (outlines as drawn)
GND_USB on Top Layer "GND_USB_L01_P020" (solid, remove dead copper, pour order 20): 0,48.1 19.73,48.1 21,49.37 21,64.23 19.73,65.5 0,65.5
GND on Top Layer "GND_L01_P019" (solid, remove dead copper, pour order 19): 0,0 82.8,0 82.8,4 57.8,4 57.8,39 82.8,39 82.8,45 72.8,45 72.8,72.5 82.8,72.5 82.8,75 0,75
5V on Top Layer "5V_L01_P000" (solid, pour order 0): 45.225,56.2 45.192,56.233 42.192,56.233 42.192,63.4 46.517,63.4 46.517,61.9 46.517,57
+28 on Top Layer "+28_L01_P002" (solid, pour order 2): 33.425,44.6 33.392,44.633 30.392,44.633 30.392,50.983 34.717,50.983 34.717,50.3 34.717,45.4
NetC208_1 on Top Layer "NETC208_1_L01_P001" (solid, pour order 1): 25.567,44.633 30.392,44.633 30.392,50.983 28.417,50.983 25.567,50.983
NetC200_1 on Top Layer "NETC200_1_L01_P014" (solid, pour order 14): 37.367,56.233 42.192,56.233 42.192,62.583 40.217,62.583 37.367,62.583
NetC204_1 on Top Layer "NETC204_1_L01_P004" (solid, pour order 4): 25.5,56.2 30.325,56.2 30.325,62.55 28.35,62.55 25.5,62.55
NetC306_1 on Top Layer "NETC306_1_L01_P009" (solid, pour order 9): 30.7,12.035 30.7,8.6 32.5,6.8 42.4,6.8 46.45,10.85 48.1,10.85 48.1,8.55 42.95,3.4 23.6,3.4 19.4,7.6 19.4,11.8 21.095,13.495 29.24,13.495
NetC302_1 on Top Layer "NETC302_1_L01_P005" (solid, pour order 5): 31.26,13.495 31.26,6.8 42.35,6.8 47.7,12.15 47.7,14.85 43.15,14.85 41.8,13.5
VOUT on Top Layer "VOUT_L01_P012" (solid, pour order 12): 23.575,34 23.575,40.15 31.75,40.15 31.75,17 33.2,15.55 33.2,13.695 25.805,13.695 23.25,16.25 23.25,22.25 22.25,23.25 20.25,23.25 19,24.5 19,33.25 19.75,34
NetIC500_12 on Top Layer "NETIC500_12_L01_P011" (solid, pour order 11): 10.1,24 15.75,24 15.75,36.855 14.355,36.855 13.5,36 13.5,33.25 12.25,32 10.1,32
V_SYS on Top Layer "V_SYS_L01_P010" (solid, pour order 10): 16.8,39.3 17.1,39.6 17.1,41 16.2,41.9 16.2,46.1 10.8,46.1 4.5,46.1 4.5,42.3 7.5,39.3
GND_USB on Bottom Layer "GND_USB_L04_P008" (solid, remove dead copper, pour order 8): 0,48.1 19.73,48.1 21,49.37 21,64.23 19.73,65.5 0,65.5
GND on Bottom Layer "GND_L04_P003" (solid, remove dead copper, pour order 3): 0,0 82.8,0 82.8,4 57.8,4 57.8,39 82.8,39 82.8,45 72.8,45 72.8,72.5 82.8,72.5 82.8,75 0,75
5V on Int2 (PWR) "5V_L03_P018" (solid, pour order 18): 0,0 82.8,0 82.8,4 57.8,4 57.8,39 82.8,39 82.8,45 72.8,45 72.8,72.5 82.8,72.5 82.8,75 0,75
VBUS on Int2 (PWR) "VBUS_L03_P006" (solid, remove dead copper, pour order 6): 0,48.1 19.73,48.1 21,49.37 21,64.23 19.73,65.5 0,65.5
GND_USB on Int1 (GND) "GND_USB_L02_P013" (solid, remove dead copper, pour order 13): 0,48.1 19.73,48.1 21,49.37 21,64.23 19.73,65.5 0,65.5
GND on Int1 (GND) "GND_L02_P016" (solid, remove dead copper, pour order 16): 0,0 82.8,0 82.8,4 57.8,4 57.8,39 82.8,39 82.8,45 72.8,45 72.8,72.5 82.8,72.5 82.8,75 0,75

## Keep-outs
Keep-Out Layer:
  lines w0.1: 0,0 1.4,0 81.4,0 82.8,0 82.8,4 57.8,4 57.8,39 82.8,39 82.8,45 72.8,45 72.8,72.5 82.8,72.5 82.8,75 81.4,75 1.4,75 0,75 0,0
  lines w1: 0,48.1 19.73,48.1 ccw(c19.73,49.37) 21,49.37 21,64.23 ccw(c19.73,64.23) 19.73,65.5 0,65.5

## Silkscreen, mask and mechanical layers (free items; w line width, h text height)
Mechanical 1:
  lines w0.1: 0,0 1.4,0 81.4,0 82.8,0 82.8,4 57.8,4 57.8,39 82.8,39 82.8,45 72.8,45 72.8,72.5 82.8,72.5 82.8,75 81.4,75 1.4,75 0,75 0,0
  text "Front" at 89.828,27.83 h5 r90
Konsruktion:
  rectangle: 0,68 83,75
  rectangle: 0,0 83,7

## Text inside footprints (layer, text, board x,y; h text height)
C302: Top Overlay "+" at 38.793,6.95 h1.5 r90
C303: Top Overlay "+" at 51.743,16.25 h1.5 r90
C306: Top Overlay "+" at 19.043,7.3 h1.5 r90
C504: Top Overlay "+" at 7.257,46.65 h1.5 r270
C508: Top Overlay "+" at 24.35,30.307 h1.5
C509: Top Overlay "+" at 26.45,39.757 h1.5